# Allegro board buddy_lay_rev1.brd (continued)
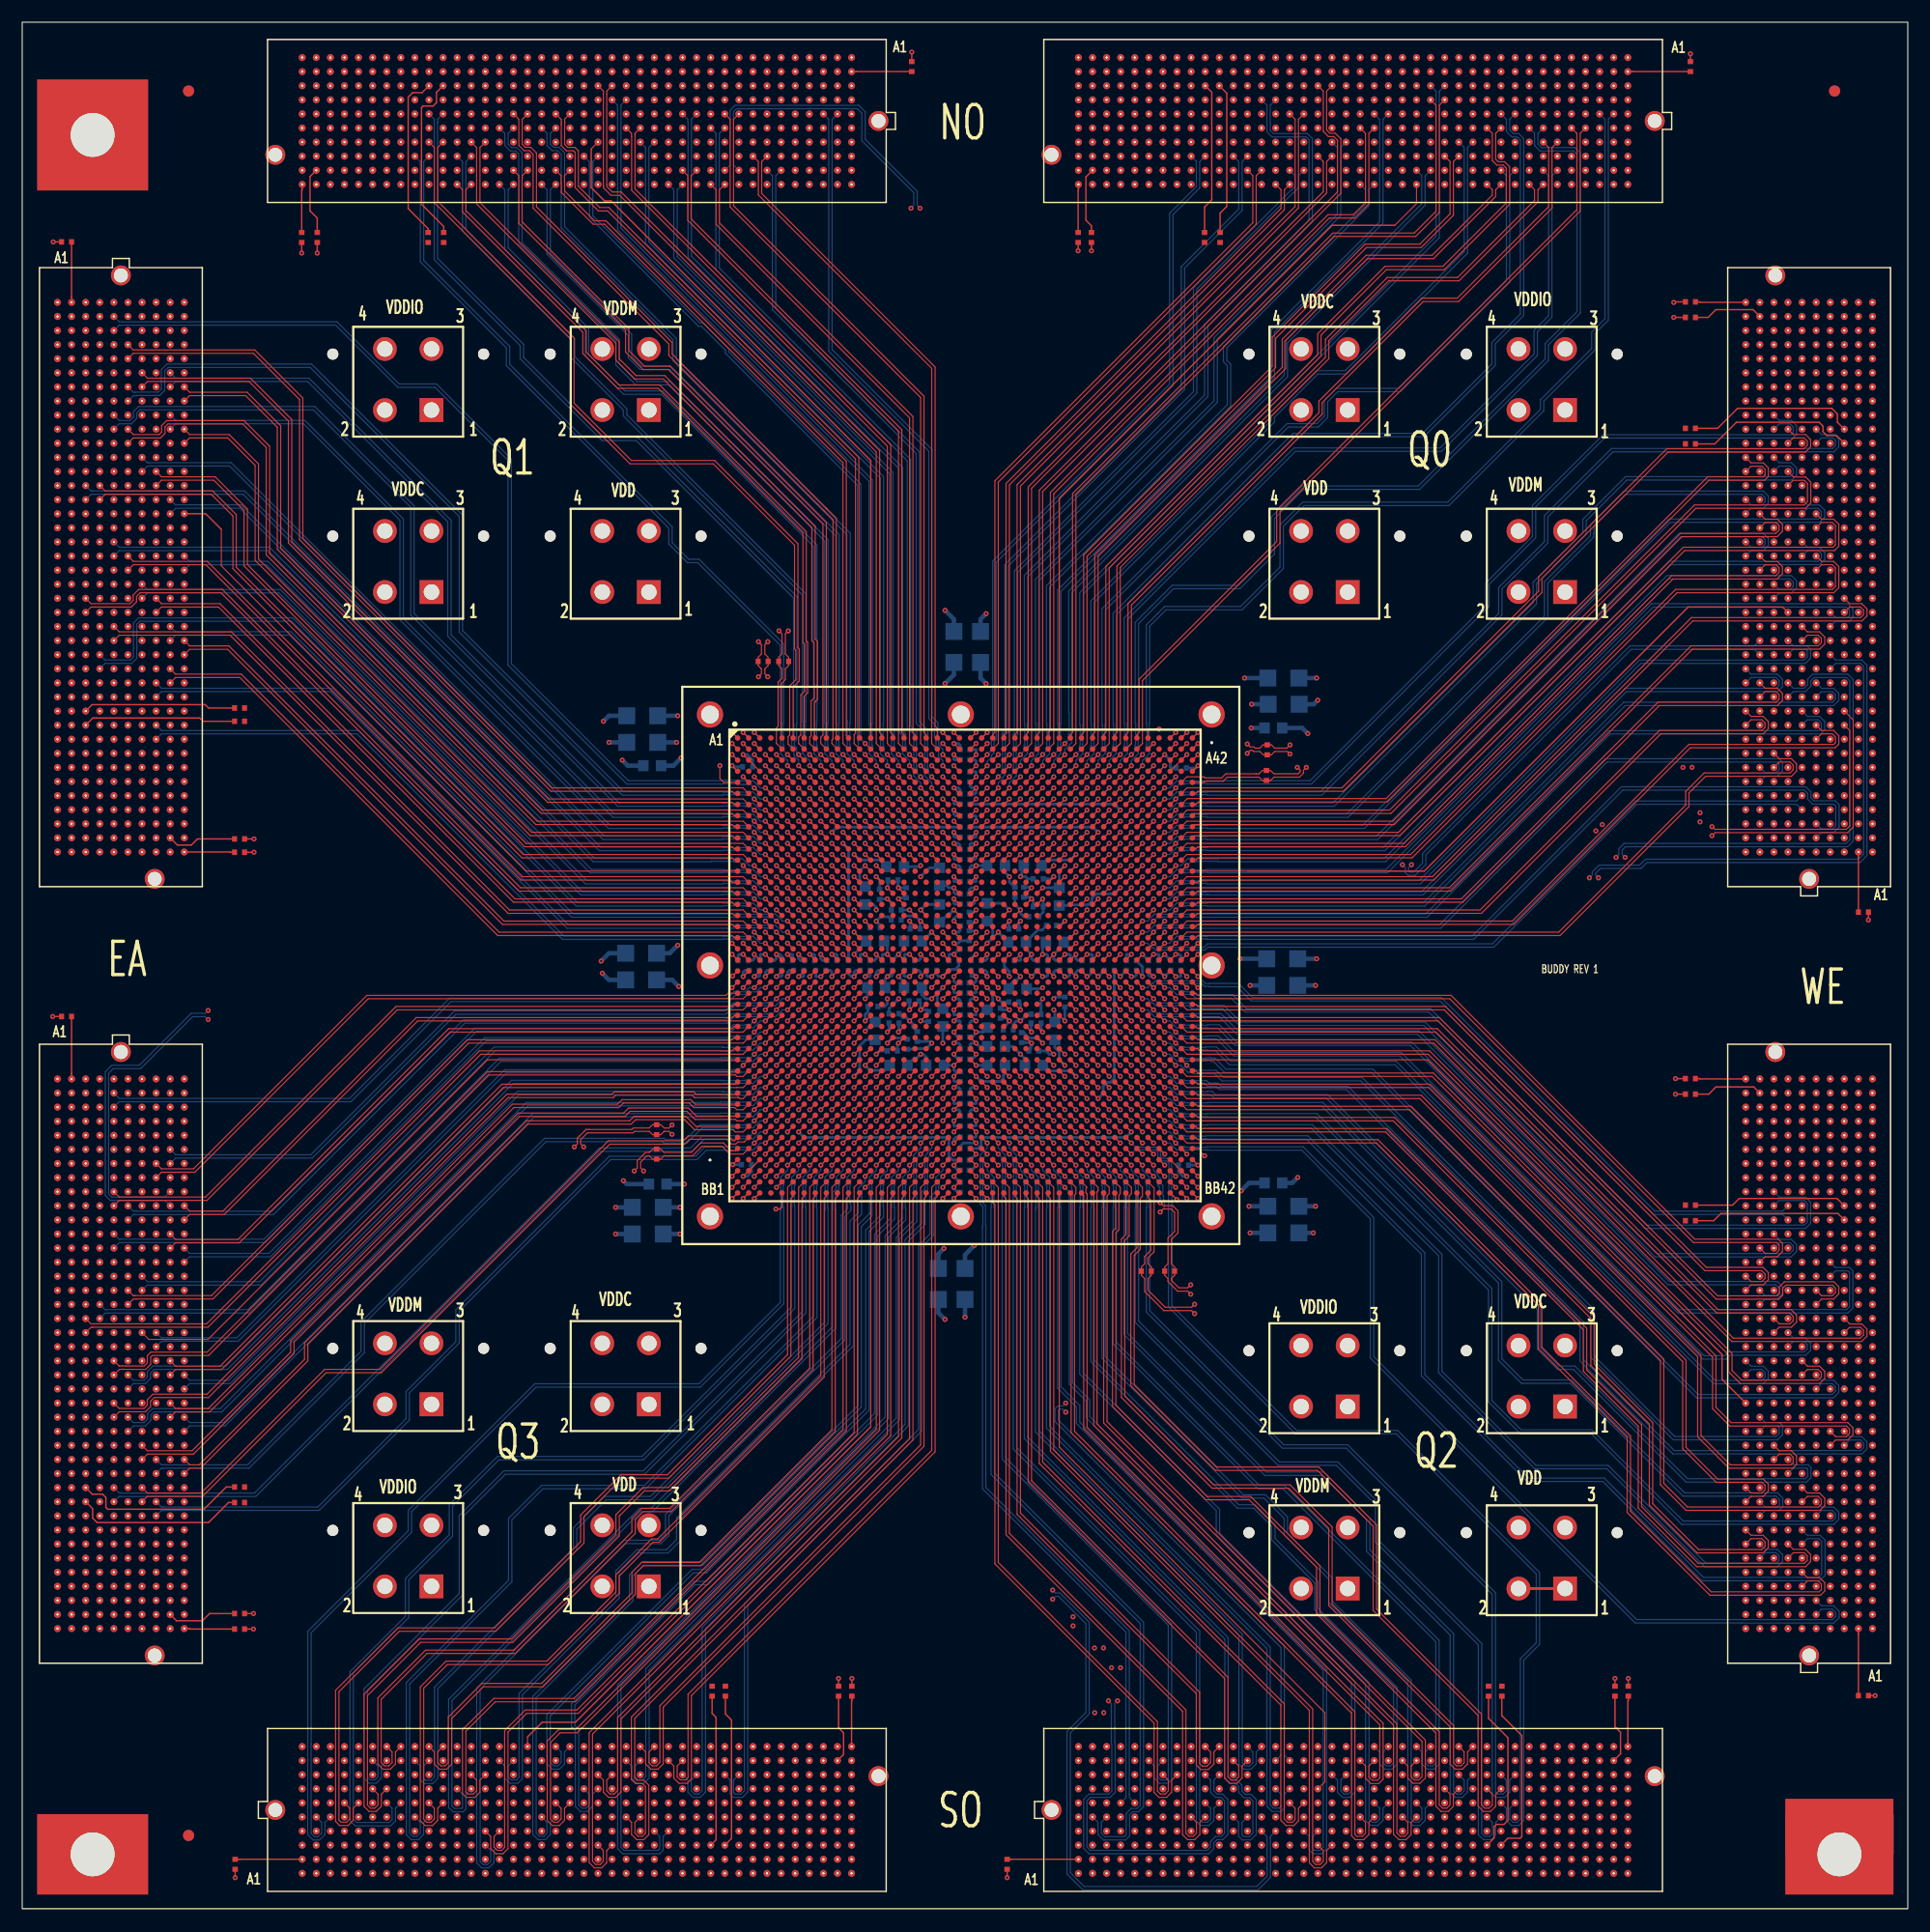
[diagram p0: board, top side]
## Nets (continued)
Q2_VDD: C111.1 C112.1 C113.1 C114.1 C115.1 C116.1 C117.1 C118.1 C119.1 C120.1 C121.1 J24.3 J24.4 U1.AE25(Q2_VDDIO16) U1.AF26(Q2_VDDIO9) U1.AG27(Q2_VDDIO7) U1.AH28(Q2_VDDIO5) U1.AJ29(Q2_VDDIO15) U1.AK30(Q2_VDDIO12) U1.AL31(Q2_VDDIO2) U1.AM32(Q2_VDDIO11) U1.AN33(Q2_VDDIO13) U1.AP34(Q2_VDDIO10) U1.AR35(Q2_VDDIO6) U1.AT36(Q2_VDDIO3) U1.AU37(Q2_VDDIO1) U1.AV38(Q2_VDDIO0) U1.AW39(Q2_VDDIO8) U1.AY40(Q2_VDDIO17) U1.BA41(Q2_VDDIO14) U1.BB42(Q2_VDDIO4)
Q2_VDDC: C23.1 C24.1 C25.1 C26.1 C27.1 C28.1 C29.1 C30.1 C31.1 C32.1 C33.1 J22.3 J22.4 U1.AB22(Q2_VDDC13) U1.AB26(Q2_VDDC10) U1.AB30(Q2_VDDC15) U1.AB34(Q2_VDDC14) U1.AB38(Q2_VDDC12) U1.AB42(Q2_VDDC11) U1.AD24(Q2_VDDC7) U1.AE39(Q2_VDDC19) U1.AF22(Q2_VDDC8) U1.AG37(Q2_VDDC5) U1.AJ35(Q2_VDDC18) U1.AK22(Q2_VDDC16) U1.AL33(Q2_VDDC2) U1.AN31(Q2_VDDC17) U1.AP22(Q2_VDDC9) U1.AR29(Q2_VDDC4) U1.AU27(Q2_VDDC1) U1.AV22(Q2_VDDC0) U1.AW25(Q2_VDDC6) U1.BB22(Q2_VDDC3)
Q2_VDDIO: C141.1 C142.1 C143.1 C144.1 J21.3 J21.4 U1.AF30(Q2_VDD1) U1.AW42(Q2_VDD0)
Q2_VDDM: C67.1 C68.1 C69.1 C70.1 C71.1 C72.1 C73.1 C74.1 C75.1 C76.1 C77.1 J23.3 J23.4 U1.AB24(Q2_VDDM10) U1.AB28(Q2_VDDM12) U1.AB32(Q2_VDDM14) U1.AB36(Q2_VDDM11) U1.AB40(Q2_VDDM13) U1.AC23(Q2_VDDM7) U1.AD22(Q2_VDDM5) U1.AD40(Q2_VDDM6) U1.AF38(Q2_VDDM8) U1.AH22(Q2_VDDM4) U1.AH36(Q2_VDDM3) U1.AK34(Q2_VDDM16) U1.AM22(Q2_VDDM15) U1.AP30(Q2_VDDM9) U1.AT22(Q2_VDDM1) U1.AT28(Q2_VDDM2) U1.AV26(Q2_VDDM0) U1.AY22(Q2_VDDM17) U1.AY24(Q2_VDDM18)
Q3_VDD: C145.1 C146.1 C147.1 C148.1 J20.3 J20.4 U1.AF13(Q3_VDD1) U1.AW1(Q3_VDD0)
Q3_VDDC: C34.1 C35.1 C36.1 C37.1 C38.1 C39.1 C40.1 C41.1 C42.1 C43.1 C44.1 J18.3 J18.4 U1.AB1(Q3_VDDC10) U1.AB5(Q3_VDDC11) U1.AB9(Q3_VDDC14) U1.AB13(Q3_VDDC12) U1.AB17(Q3_VDDC13) U1.AB21(Q3_VDDC15) U1.AD19(Q3_VDDC7) U1.AE4(Q3_VDDC19) U1.AF21(Q3_VDDC8) U1.AG6(Q3_VDDC5) U1.AJ8(Q3_VDDC18) U1.AK21(Q3_VDDC16) U1.AL10(Q3_VDDC2) U1.AN12(Q3_VDDC17) U1.AP21(Q3_VDDC9) U1.AR14(Q3_VDDC4) U1.AU16(Q3_VDDC1) U1.AV21(Q3_VDDC0) U1.AW18(Q3_VDDC6) U1.BB21(Q3_VDDC3)
Q3_VDDIO: C122.1 C123.1 C124.1 C125.1 C126.1 C127.1 C128.1 C129.1 C130.1 C131.1 C132.1 J19.3 J19.4 U1.AE18(Q3_VDDIO16) U1.AF17(Q3_VDDIO9) U1.AG16(Q3_VDDIO7) U1.AH15(Q3_VDDIO5) U1.AJ14(Q3_VDDIO15) U1.AK13(Q3_VDDIO12) U1.AL12(Q3_VDDIO2) U1.AM11(Q3_VDDIO11) U1.AN10(Q3_VDDIO13) U1.AP9(Q3_VDDIO10) U1.AR8(Q3_VDDIO6) U1.AT7(Q3_VDDIO3) U1.AU6(Q3_VDDIO1) U1.AV5(Q3_VDDIO0) U1.AW4(Q3_VDDIO8) U1.AY3(Q3_VDDIO17) U1.BA2(Q3_VDDIO14) U1.BB1(Q3_VDDIO4)
Q3_VDDM: C78.1 C79.1 C80.1 C81.1 C82.1 C83.1 C84.1 C85.1 C86.1 C87.1 C88.1 J17.3 J17.4 U1.AB3(Q3_VDDM14) U1.AB7(Q3_VDDM11) U1.AB11(Q3_VDDM13) U1.AB15(Q3_VDDM10) U1.AB19(Q3_VDDM12) U1.AC20(Q3_VDDM7) U1.AD3(Q3_VDDM6) U1.AD21(Q3_VDDM5) U1.AF5(Q3_VDDM8) U1.AH7(Q3_VDDM3) U1.AH21(Q3_VDDM4) U1.AK9(Q3_VDDM16) U1.AM21(Q3_VDDM15) U1.AP13(Q3_VDDM9) U1.AT15(Q3_VDDM2) U1.AT21(Q3_VDDM1) U1.AV17(Q3_VDDM0) U1.AY19(Q3_VDDM18) U1.AY21(Q3_VDDM17)
SCL_EA: R101.2
SCL_EA1: R107.2
SCL_EA2: R122.2
SCL_EA3: R127.2
SCL_EA4: R137.2
SCL_EA5: R132.2
SCL_EA6: R117.2
SCL_EA7: R112.2
SDA_EA: R90.2
SDA_EA1: R108.2
SDA_EA2: R123.2
SDA_EA3: R128.2
SDA_EA4: R138.2
SDA_EA5: R133.2
SDA_EA6: R118.2
SDA_EA7: R113.2
SO_3P3V: J5.C39(3P3V) J5.D36(3P3V#D36) J5.D38(3P3V#D38) J5.D40(3P3V#D40) J6.C39(3P3V) J6.D36(3P3V#D36) J6.D38(3P3V#D38) J6.D40(3P3V#D40) R119.2 R124.2
SO_12P0V: J5.C35(12P0V#C35) J5.C37(12P0V#C37) J6.C35(12P0V#C35) J6.C37(12P0V#C37)
SO_CTRL0: J6.J30(HB11_P) U1.BB5(SOCTRL0)
SO_CTRL1: J6.K31(HB10_P) U1.BA5(SOCTRL1)
SO_CTRL2: J6.E33(HB19_P) U1.AY5(SOCTRL2)
SO_CTRL3: J6.F34(HB16_P) U1.AW5(SOCTRL3)
SO_CTRL4: J6.G33(LA31_P)
SO_CTRL5: J6.H34(LA30_P)
SO_CTRL6: J6.J33(HB15_P)
SO_CTRL7: J6.K34(HB14_P)
SO_CTRL8: J6.E36(HB21_P)
SO_CTRL9: J6.F37(HB20_P)
SO_CTRL10: J6.G36(LA33_P)
SO_CTRL11: J6.H37(LA32_P)
SO_CTRL12: J6.J36(HB18_P)
SO_CTRL13: J6.K37(HB17_P_CC)
SO_HS_C2M_N0: J6.C3(DP0_C2M_N) R99.1 U1.BB38(SO_RX_N)
SO_HS_C2M_N1: J6.A23(DP1_C2M_N)
SO_HS_C2M_N2: J6.A27(DP2_C2M_N)
SO_HS_C2M_N3: J6.A31(DP3_C2M_N)
SO_HS_C2M_N4: J6.A35(DP4_C2M_N)
SO_HS_C2M_N5: J6.A39(DP5_C2M_N)
SO_HS_C2M_N6: J6.B37(DP6_C2M_N)
SO_HS_C2M_N7: J6.B33(DP7_C2M_N)
SO_HS_C2M_N8: J6.B29(DP8_C2M_N)
SO_HS_C2M_N9: J6.B25(DP9_C2M_N)
SO_HS_C2M_P0: J6.C2(DP0_C2M_P) R99.2 U1.BA38(SO_RX_P)
SO_HS_C2M_P1: J6.A22(DP1_C2M_P)
SO_HS_C2M_P2: J6.A26(DP2_C2M_P)
SO_HS_C2M_P3: J6.A30(DP3_C2M_P)
SO_HS_C2M_P4: J6.A34(DP4_C2M_P)
SO_HS_C2M_P5: J6.A38(DP5_C2M_P)
SO_HS_C2M_P6: J6.B36(DP6_C2M_P)
SO_HS_C2M_P7: J6.B32(DP7_C2M_P)
SO_HS_C2M_P8: J6.B28(DP8_C2M_P)
SO_HS_C2M_P9: J6.B24(DP9_C2M_P)
SO_HS_M2C_N0: J6.C7(DP0_M2C_N) R100.1 U1.AY38(SO_TX_N)
SO_HS_M2C_N1: J6.A3(DP1_M2C_N)
SO_HS_M2C_N2: J6.A7(DP2_M2C_N)
SO_HS_M2C_N3: J6.A11(DP3_M2C_N)
SO_HS_M2C_N4: J6.A15(DP4_M2C_N)
SO_HS_M2C_N5: J6.A19(DP5_M2C_N)
SO_HS_M2C_N6: J6.B17(DP6_M2C_N)
SO_HS_M2C_N7: J6.B13(DP7_M2C_N)
SO_HS_M2C_N8: J6.B9(DP8_M2C_N)
SO_HS_M2C_N9: J6.B5(DP9_M2C_N)
SO_HS_M2C_P0: J6.C6(DP0_M2C_P) R100.2 U1.AW38(SO_TX_P)
SO_HS_M2C_P1: J6.A2(DP1_M2C_P)
SO_HS_M2C_P2: J6.A6(DP2_M2C_P)
SO_HS_M2C_P3: J6.A10(DP3_M2C_P)
SO_HS_M2C_P4: J6.A14(DP4_M2C_P)
SO_HS_M2C_P5: J6.A18(DP5_M2C_P)
SO_HS_M2C_P6: J6.B16(DP6_M2C_P)
SO_HS_M2C_P7: J6.B12(DP7_M2C_P)
SO_HS_M2C_P8: J6.B8(DP8_M2C_P)
SO_HS_M2C_P9: J6.B4(DP9_M2C_P)
SO_N0: J5.H32(LA28_N) U1.AY37(SO_N0)
SO_N1: J5.G31(LA29_N) U1.BB37(SO_N1)
SO_N2: J5.F32(HB12_N) U1.AV36(SO_N2)
SO_N3: J5.E31(HB13_N) U1.AY36(SO_N3)
SO_N4: J5.K29(HB06_N_CC) U1.BB36(SO_N4)
SO_N5: J5.J28(HB07_N) U1.AV35(SO_N5)
SO_N6: J5.H29(LA24_N) U1.AY35(SO_N6)
SO_N7: J5.G28(LA25_N) U1.BB35(SO_N7)
SO_N8: J5.F29(HB08_N) U1.AT34(SO_N8)
SO_N9: J5.E28(HB09_N) U1.AV34(SO_N9)
SO_N10: J5.K26(HB00_N_CC) U1.AY34(SO_N10)
SO_N11: J5.J25(HB01_N) U1.BB34(SO_N11)
SO_N12: J5.H26(LA21_N) U1.AT33(SO_N12)
SO_N13: J5.G25(LA22_N) U1.AV33(SO_N13)
SO_N14: J5.F26(HB04_N) U1.AY33(SO_N14)
SO_N15: J5.E25(HB05_N) U1.BB33(SO_N15)
SO_N16: J5.D27(LA26_N) U1.AT32(SO_N16)
SO_N17: J5.C27(LA27_N) U1.AV32(SO_N17)
SO_N18: J5.K23(HA23_N) U1.AY32(SO_N18)
SO_N19: J5.J22(HA22_N) U1.BB32(SO_N19)
SO_N20: J5.H23(LA19_N) U1.AT31(SO_N20)
SO_N21: J5.G22(LA20_N) U1.AV31(SO_N21)
SO_N22: J5.F23(HB02_N) U1.AY31(SO_N22)
SO_N23: J5.E22(HB03_N) U1.BB31(SO_N23)
SO_N24: J5.D21(LA17_N_CC) U1.AM30(SO_N24)
SO_N25: J5.C23(LA18_N_CC) U1.AR30(SO_N25)
SO_N26: J5.K20(HA21_N) U1.AU30(SO_N26)
SO_N27: J5.J19(HA18_N) U1.AW30(SO_N27)
SO_N28: J5.H20(LA15_N) U1.BA30(SO_N28)
SO_N29: J5.G19(LA16_N) U1.AL29(SO_N29)
SO_N30: J5.F20(HA19_N) U1.AN29(SO_N30)
SO_N31: J5.E19(HA20_N) U1.AV29(SO_N31)
SO_N32: J5.D18(LA13_N) U1.AY29(SO_N32)
SO_N33: J5.C19(LA14_N) U1.BB29(SO_N33)
SO_N34: J5.K17(HA17_N_CC) U1.AM28(SO_N34)
SO_N35: J5.J16(HA14_N) U1.AP28(SO_N35)
SO_N36: J5.H17(LA11_N) U1.AV28(SO_N36)
SO_N37: J5.G16(LA12_N) U1.AY28(SO_N37)
SO_N38: J5.F17(HA15_N) U1.BB28(SO_N38)
SO_N39: J5.E16(HA16_N) U1.AM27(SO_N39)
SO_N40: J5.D15(LA09_N) U1.AP27(SO_N40)
SO_N41: J5.C15(LA10_N) U1.AT27(SO_N41)
SO_N42: J5.K14(HA10_N) U1.AY27(SO_N42)
SO_N43: J5.J13(HA11_N) U1.BB27(SO_N43)
SO_N44: J5.H14(LA07_N) U1.AM26(SO_N44)
SO_N45: J5.G13(LA08_N) U1.AP26(SO_N45)
SO_N46: J5.F14(HA12_N) U1.AT26(SO_N46)
SO_N47: J5.E13(HA13_N) U1.AY26(SO_N47)
SO_N48: J5.K11(HA06_N) U1.BB26(SO_N48)
SO_N49: J5.J10(HA07_N) U1.AM25(SO_N49)
SO_N50: J5.H11(LA04_N) U1.AP25(SO_N50)
SO_N51: J5.G10(LA03_N) U1.AT25(SO_N51)
SO_N52: J5.F11(HA08_N) U1.AV25(SO_N52)
SO_N53: J5.E10(HA09_N) U1.BB25(SO_N53)
SO_N54: J5.D9(LA01_N_CC) U1.AM24(SO_N54)
SO_N55: J5.C11(LA06_N) U1.AP24(SO_N55)
SO_N56: J5.K8(HA02_N) U1.AT24(SO_N56)
SO_N57: J5.J7(HA03_N) U1.AV24(SO_N57)
SO_N58: J5.H8(LA02_N) U1.BB24(SO_N58)
SO_N59: J5.G7(LA00_N_CC) U1.AM23(SO_N59)
SO_N60: J5.F8(HA04_N) U1.AP23(SO_N60)
SO_N61: J5.E7(HA05_N) U1.AT23(SO_N61)
SO_N62: J5.F5(HA00_N_CC) U1.AV23(SO_N62)
SO_N63: J5.E3(HA01_N_CC) U1.AY23(SO_N63)
SO_N64: J6.H32(LA28_N) U1.AW20(SO_N64)
SO_N65: J6.G31(LA29_N) U1.AU20(SO_N65)
SO_N66: J6.F32(HB12_N) U1.AR20(SO_N66)
SO_N67: J6.E31(HB13_N) U1.AN20(SO_N67)
SO_N68: J6.K29(HB06_N_CC) U1.AL20(SO_N68)
SO_N69: J6.J28(HB07_N) U1.BA19(SO_N69)
SO_N70: J6.H29(LA24_N) U1.AU19(SO_N70)
SO_N71: J6.G28(LA25_N) U1.AR19(SO_N71)
SO_N72: J6.F29(HB08_N) U1.AN19(SO_N72)
SO_N73: J6.E28(HB09_N) U1.AL19(SO_N73)
SO_N74: J6.K26(HB00_N_CC) U1.BA18(SO_N74)
SO_N75: J6.J25(HB01_N) U1.AU18(SO_N75)
SO_N76: J6.H26(LA21_N) U1.AR18(SO_N76)
SO_N77: J6.G25(LA22_N) U1.AN18(SO_N77)
SO_N78: J6.F26(HB04_N) U1.AL18(SO_N78)
SO_N79: J6.E25(HB05_N) U1.BA17(SO_N79)
SO_N80: J6.D27(LA26_N) U1.AW17(SO_N80)
SO_N81: J6.C27(LA27_N) U1.AR17(SO_N81)
SO_N82: J6.K23(HA23_N) U1.AN17(SO_N82)
SO_N83: J6.J22(HA22_N) U1.AL17(SO_N83)
SO_N84: J6.H23(LA19_N) U1.BA16(SO_N84)
SO_N85: J6.G22(LA20_N) U1.AW16(SO_N85)
SO_N86: J6.F23(HB02_N) U1.AR16(SO_N86)
SO_N87: J6.E22(HB03_N) U1.AN16(SO_N87)
SO_N88: J6.D21(LA17_N_CC) U1.AL16(SO_N88)
SO_N89: J6.C23(LA18_N_CC) U1.BA15(SO_N89)
SO_N90: J6.K20(HA21_N) U1.AW15(SO_N90)
SO_N91: J6.J19(HA18_N) U1.AU15(SO_N91)
SO_N92: J6.H20(LA15_N) U1.AN15(SO_N92)
SO_N93: J6.G19(LA16_N) U1.AL15(SO_N93)
SO_N94: J6.F20(HA19_N) U1.BA14(SO_N94)
SO_N95: J6.E19(HA20_N) U1.AW14(SO_N95)
SO_N96: J6.D18(LA13_N) U1.AU14(SO_N96)
SO_N97: J6.C19(LA14_N) U1.AM14(SO_N97)
SO_N98: J6.K17(HA17_N_CC) U1.BB13(SO_N98)
SO_N99: J6.J16(HA14_N) U1.AY13(SO_N99)
SO_N100: J6.H17(LA11_N) U1.AV13(SO_N100)
SO_N101: J6.G16(LA12_N) U1.AT13(SO_N101)
SO_N102: J6.F17(HA15_N) U1.AN13(SO_N102)
SO_N103: J6.E16(HA16_N) U1.AL13(SO_N103)
SO_N104: J6.D15(LA09_N) U1.BA12(SO_N104)
SO_N105: J6.C15(LA10_N) U1.AW12(SO_N105)
SO_N106: J6.K14(HA10_N) U1.AU12(SO_N106)
SO_N107: J6.J13(HA11_N) U1.AR12(SO_N107)
SO_N108: J6.H14(LA07_N) U1.BA11(SO_N108)
SO_N109: J6.G13(LA08_N) U1.AW11(SO_N109)
SO_N110: J6.F14(HA12_N) U1.AU11(SO_N110)
SO_N111: J6.E13(HA13_N) U1.AR11(SO_N111)
SO_N112: J6.K11(HA06_N) U1.BA10(SO_N112)
SO_N113: J6.J10(HA07_N) U1.AW10(SO_N113)
SO_N114: J6.H11(LA04_N) U1.AU10(SO_N114)
SO_N115: J6.G10(LA03_N) U1.AR10(SO_N115)
SO_N116: J6.F11(HA08_N) U1.BA9(SO_N116)
SO_N117: J6.E10(HA09_N) U1.AW9(SO_N117)
SO_N118: J6.D9(LA01_N_CC) U1.AU9(SO_N118)
SO_N119: J6.C11(LA06_N) U1.AR9(SO_N119)
SO_N120: J6.K8(HA02_N) U1.BA8(SO_N120)
SO_N121: J6.J7(HA03_N) U1.AW8(SO_N121)
SO_N122: J6.H8(LA02_N) U1.AU8(SO_N122)
SO_N123: J6.G7(LA00_N_CC) U1.BA7(SO_N123)
SO_N124: J6.F8(HA04_N) U1.AW7(SO_N124)
SO_N125: J6.E7(HA05_N) U1.AU7(SO_N125)
SO_N126: J6.F5(HA00_N_CC) U1.BA6(SO_N126)
SO_N127: J6.E3(HA01_N_CC) U1.AW6(SO_N127)
SO_P0: J5.H31(LA28_P) U1.AW37(SO_P0)
SO_P1: J5.G30(LA29_P) U1.BA37(SO_P1)
SO_P2: J5.F31(HB12_P) U1.AU36(SO_P2)
SO_P3: J5.E30(HB13_P) U1.AW36(SO_P3)
SO_P4: J5.K28(HB06_P_CC) U1.BA36(SO_P4)
SO_P5: J5.J27(HB07_P) U1.AU35(SO_P5)
SO_P6: J5.H28(LA24_P) U1.AW35(SO_P6)
SO_P7: J5.G27(LA25_P) U1.BA35(SO_P7)
SO_P8: J5.F28(HB08_P) U1.AR34(SO_P8)
SO_P9: J5.E27(HB09_P) U1.AU34(SO_P9)
SO_P10: J5.K25(HB00_P_CC) U1.AW34(SO_P10)
SO_P11: J5.J24(HB01_P) U1.BA34(SO_P11)
SO_P12: J5.H25(LA21_P) U1.AR33(SO_P12)
SO_P13: J5.G24(LA22_P) U1.AU33(SO_P13)
SO_P14: J5.F25(HB04_P) U1.AW33(SO_P14)
SO_P15: J5.E24(HB05_P) U1.BA33(SO_P15)
SO_P16: J5.D26(LA26_P) U1.AR32(SO_P16)
SO_P17: J5.C26(LA27_P) U1.AU32(SO_P17)
SO_P18: J5.K22(HA23_P) U1.AW32(SO_P18)
SO_P19: J5.J21(HA22_P) U1.BA32(SO_P19)
SO_P20: J5.H22(LA19_P) U1.AR31(SO_P20)
SO_P21: J5.G21(LA20_P) U1.AU31(SO_P21)
SO_P22: J5.F22(HB02_P) U1.AW31(SO_P22)
SO_P23: J5.E21(HB03_P) U1.BA31(SO_P23)
SO_P24: J5.D20(LA17_P_CC) U1.AL30(SO_P24)
SO_P25: J5.C22(LA18_P_CC) U1.AN30(SO_P25)
SO_P26: J5.K19(HA21_P) U1.AT30(SO_P26)
SO_P27: J5.J18(HA18_P) U1.AV30(SO_P27)
SO_P28: J5.H19(LA15_P) U1.AY30(SO_P28)
SO_P29: J5.G18(LA16_P) U1.BB30(SO_P29)
SO_P30: J5.F19(HA19_P) U1.AM29(SO_P30)
SO_P31: J5.E18(HA20_P) U1.AU29(SO_P31)
SO_P32: J5.D17(LA13_P) U1.AW29(SO_P32)
SO_P33: J5.C18(LA14_P) U1.BA29(SO_P33)
SO_P34: J5.K16(HA17_P_CC) U1.AL28(SO_P34)
SO_P35: J5.J15(HA14_P) U1.AN28(SO_P35)
SO_P36: J5.H16(LA11_P) U1.AU28(SO_P36)
SO_P37: J5.G15(LA12_P) U1.AW28(SO_P37)
SO_P38: J5.F16(HA15_P) U1.BA28(SO_P38)
SO_P39: J5.E15(HA16_P) U1.AL27(SO_P39)
SO_P40: J5.D14(LA09_P) U1.AN27(SO_P40)
SO_P41: J5.C14(LA10_P) U1.AR27(SO_P41)
SO_P42: J5.K13(HA10_P) U1.AW27(SO_P42)
SO_P43: J5.J12(HA11_P) U1.BA27(SO_P43)
SO_P44: J5.H13(LA07_P) U1.AL26(SO_P44)
SO_P45: J5.G12(LA08_P) U1.AN26(SO_P45)
SO_P46: J5.F13(HA12_P) U1.AR26(SO_P46)
SO_P47: J5.E12(HA13_P) U1.AW26(SO_P47)
SO_P48: J5.K10(HA06_P) U1.BA26(SO_P48)
SO_P49: J5.J9(HA07_P) U1.AL25(SO_P49)
SO_P50: J5.H10(LA04_P) U1.AN25(SO_P50)
SO_P51: J5.G9(LA03_P) U1.AR25(SO_P51)
SO_P52: J5.F10(HA08_P) U1.AU25(SO_P52)
SO_P53: J5.E9(HA09_P) U1.BA25(SO_P53)
SO_P54: J5.D8(LA01_P_CC) U1.AL24(SO_P54)
SO_P55: J5.C10(LA06_P) U1.AN24(SO_P55)
SO_P56: J5.K7(HA02_P) U1.AR24(SO_P56)
SO_P57: J5.J6(HA03_P) U1.AU24(SO_P57)
SO_P58: J5.H7(LA02_P) U1.BA24(SO_P58)
SO_P59: J5.G6(LA00_P_CC) U1.AL23(SO_P59)
SO_P60: J5.F7(HA04_P) U1.AN23(SO_P60)
SO_P61: J5.E6(HA05_P) U1.AR23(SO_P61)
SO_P62: J5.F4(HA00_P_CC) U1.AU23(SO_P62)
SO_P63: J5.E2(HA01_P_CC) U1.AW23(SO_P63)
SO_P64: J6.H31(LA28_P) U1.AY20(SO_P64)
SO_P65: J6.G30(LA29_P) U1.AV20(SO_P65)
SO_P66: J6.F31(HB12_P) U1.AT20(SO_P66)
SO_P67: J6.E30(HB13_P) U1.AP20(SO_P67)
SO_P68: J6.K28(HB06_P_CC) U1.AM20(SO_P68)
SO_P69: J6.J27(HB07_P) U1.BB19(SO_P69)
SO_P70: J6.H28(LA24_P) U1.AV19(SO_P70)
SO_P71: J6.G27(LA25_P) U1.AT19(SO_P71)
SO_P72: J6.F28(HB08_P) U1.AP19(SO_P72)
SO_P73: J6.E27(HB09_P) U1.AM19(SO_P73)
SO_P74: J6.K25(HB00_P_CC) U1.BB18(SO_P74)
SO_P75: J6.J24(HB01_P) U1.AV18(SO_P75)
SO_P76: J6.H25(LA21_P) U1.AT18(SO_P76)
SO_P77: J6.G24(LA22_P) U1.AP18(SO_P77)
SO_P78: J6.F25(HB04_P) U1.AM18(SO_P78)
SO_P79: J6.E24(HB05_P) U1.BB17(SO_P79)
SO_P80: J6.D26(LA26_P) U1.AY17(SO_P80)
SO_P81: J6.C26(LA27_P) U1.AT17(SO_P81)
SO_P82: J6.K22(HA23_P) U1.AP17(SO_P82)
SO_P83: J6.J21(HA22_P) U1.AM17(SO_P83)
SO_P84: J6.H22(LA19_P) U1.BB16(SO_P84)
SO_P85: J6.G21(LA20_P) U1.AY16(SO_P85)
SO_P86: J6.F22(HB02_P) U1.AT16(SO_P86)
SO_P87: J6.E21(HB03_P) U1.AP16(SO_P87)
SO_P88: J6.D20(LA17_P_CC) U1.AM16(SO_P88)
SO_P89: J6.C22(LA18_P_CC) U1.BB15(SO_P89)
SO_P90: J6.K19(HA21_P) U1.AY15(SO_P90)
SO_P91: J6.J18(HA18_P) U1.AV15(SO_P91)
SO_P92: J6.H19(LA15_P) U1.AP15(SO_P92)
SO_P93: J6.G18(LA16_P) U1.AM15(SO_P93)
SO_P94: J6.F19(HA19_P) U1.BB14(SO_P94)
SO_P95: J6.E18(HA20_P) U1.AY14(SO_P95)
SO_P96: J6.D17(LA13_P) U1.AV14(SO_P96)
SO_P97: J6.C18(LA14_P) U1.AN14(SO_P97)
SO_P98: J6.K16(HA17_P_CC) U1.AL14(SO_P98)
SO_P99: J6.J15(HA14_P) U1.BA13(SO_P99)
SO_P100: J6.H16(LA11_P) U1.AW13(SO_P100)
SO_P101: J6.G15(LA12_P) U1.AU13(SO_P101)
SO_P102: J6.F16(HA15_P) U1.AR13(SO_P102)
SO_P103: J6.E15(HA16_P) U1.AM13(SO_P103)
SO_P104: J6.D14(LA09_P) U1.BB12(SO_P104)
SO_P105: J6.C14(LA10_P) U1.AY12(SO_P105)
SO_P106: J6.K13(HA10_P) U1.AV12(SO_P106)
SO_P107: J6.J12(HA11_P) U1.AT12(SO_P107)
SO_P108: J6.H13(LA07_P) U1.BB11(SO_P108)
SO_P109: J6.G12(LA08_P) U1.AY11(SO_P109)
SO_P110: J6.F13(HA12_P) U1.AV11(SO_P110)
SO_P111: J6.E12(HA13_P) U1.AT11(SO_P111)
SO_P112: J6.K10(HA06_P) U1.BB10(SO_P112)
SO_P113: J6.J9(HA07_P) U1.AY10(SO_P113)
SO_P114: J6.H10(LA04_P) U1.AV10(SO_P114)
SO_P115: J6.G9(LA03_P) U1.AT10(SO_P115)
SO_P116: J6.F10(HA08_P) U1.BB9(SO_P116)
SO_P117: J6.E9(HA09_P) U1.AY9(SO_P117)
SO_P118: J6.D8(LA01_P_CC) U1.AV9(SO_P118)
SO_P119: J6.C10(LA06_P) U1.AT9(SO_P119)
SO_P120: J6.K7(HA02_P) U1.BB8(SO_P120)
SO_P121: J6.J6(HA03_P) U1.AY8(SO_P121)
SO_P122: J6.H7(LA02_P) U1.AV8(SO_P122)
SO_P123: J6.G6(LA00_P_CC) U1.BB7(SO_P123)
SO_P124: J6.F7(HA04_P) U1.AY7(SO_P124)
SO_P125: J6.E6(HA05_P) U1.AV7(SO_P125)
SO_P126: J6.F4(HA00_P_CC) U1.BB6(SO_P126)
SO_P127: J6.E2(HA01_P_CC) U1.AY6(SO_P127)
SO_VADJ0: J6.E39(VADJ) J6.F40(VADJ) J6.G39(VADJ) J6.H40(VADJ) R120.2 R121.2
SO_VADJ1: J5.E39(VADJ) J5.F40(VADJ) J5.G39(VADJ) J5.H40(VADJ) R125.2 R126.2
WE_3P3V: J3.C39(3P3V) J3.D36(3P3V#D36) J3.D38(3P3V#D38) J3.D40(3P3V#D40) J4.C39(3P3V) J4.D36(3P3V#D36) J4.D38(3P3V#D38) J4.D40(3P3V#D40) R129.2 R134.2
WE_12P0V: J3.C35(12P0V#C35) J3.C37(12P0V#C37) J4.C35(12P0V#C35) J4.C37(12P0V#C37)
WE_CTRL0: J3.J30(HB11_P) U1.AV42(WECTRL0)
WE_CTRL1: J3.K31(HB10_P) U1.AV41(WECTRL1)
WE_CTRL2: J3.E33(HB19_P) U1.AV40(WECTRL2)
WE_CTRL3: J3.F34(HB16_P) U1.AV39(WECTRL3)
WE_CTRL4: J3.G33(LA31_P)
WE_CTRL5: J3.H34(LA30_P)
WE_CTRL6: J3.J33(HB15_P)
WE_CTRL7: J3.K34(HB14_P)
WE_CTRL8: J3.E36(HB21_P)
WE_CTRL9: J3.F37(HB20_P)
WE_CTRL10: J3.G36(LA33_P)
WE_CTRL11: J3.H37(LA32_P)
WE_CTRL12: J3.J36(HB18_P)
WE_CTRL13: J3.K37(HB17_P_CC)
WE_HS_C2M_N0: J3.C2(DP0_C2M_P) R97.1 U1.E42(WE_RX_N)
WE_HS_C2M_N1: J3.A22(DP1_C2M_P)
WE_HS_C2M_N2: J3.A26(DP2_C2M_P)
WE_HS_C2M_N3: J3.A30(DP3_C2M_P)
WE_HS_C2M_N4: J3.A34(DP4_C2M_P)
WE_HS_C2M_N5: J3.A38(DP5_C2M_P)
WE_HS_C2M_N6: J3.B36(DP6_C2M_P)
WE_HS_C2M_N7: J3.B32(DP7_C2M_P)
WE_HS_C2M_N8: J3.B28(DP8_C2M_P)
WE_HS_C2M_N9: J3.B24(DP9_C2M_P)
WE_HS_C2M_P0: J3.C3(DP0_C2M_N) R97.2 U1.E41(WE_RX_P)
WE_HS_C2M_P1: J3.A23(DP1_C2M_N)
WE_HS_C2M_P2: J3.A27(DP2_C2M_N)
WE_HS_C2M_P3: J3.A31(DP3_C2M_N)
WE_HS_C2M_P4: J3.A35(DP4_C2M_N)
WE_HS_C2M_P5: J3.A39(DP5_C2M_N)
WE_HS_C2M_P6: J3.B37(DP6_C2M_N)
WE_HS_C2M_P7: J3.B33(DP7_C2M_N)
WE_HS_C2M_P8: J3.B29(DP8_C2M_N)
WE_HS_C2M_P9: J3.B25(DP9_C2M_N)
WE_HS_M2C_N0: J3.C7(DP0_M2C_N) R98.1 U1.E40(WE_TX_N)
WE_HS_M2C_N1: J3.A3(DP1_M2C_N)
WE_HS_M2C_N2: J3.A7(DP2_M2C_N)
WE_HS_M2C_N3: J3.A11(DP3_M2C_N)
WE_HS_M2C_N4: J3.A15(DP4_M2C_N)
WE_HS_M2C_N5: J3.A19(DP5_M2C_N)
WE_HS_M2C_N6: J3.B17(DP6_M2C_N)
WE_HS_M2C_N7: J3.B13(DP7_M2C_N)
WE_HS_M2C_N8: J3.B9(DP8_M2C_N)
WE_HS_M2C_N9: J3.B5(DP9_M2C_N)
WE_HS_M2C_P0: J3.C6(DP0_M2C_P) R98.2 U1.E39(WE_TX_P)
WE_HS_M2C_P1: J3.A2(DP1_M2C_P)
WE_HS_M2C_P2: J3.A6(DP2_M2C_P)
WE_HS_M2C_P3: J3.A10(DP3_M2C_P)
WE_HS_M2C_P4: J3.A14(DP4_M2C_P)
WE_HS_M2C_P5: J3.A18(DP5_M2C_P)
WE_HS_M2C_P6: J3.B16(DP6_M2C_P)
WE_HS_M2C_P7: J3.B12(DP7_M2C_P)
WE_HS_M2C_P8: J3.B8(DP8_M2C_P)
WE_HS_M2C_P9: J3.B4(DP9_M2C_P)
WE_N0: J3.H32(LA28_N) U1.F40(WE_N0)
WE_N1: J3.G31(LA29_N) U1.F42(WE_N1)
WE_N2: J3.F32(HB12_N) U1.G38(WE_N2)
WE_N3: J3.E31(HB13_N) U1.G40(WE_N3)
WE_N4: J3.K29(HB06_N_CC) U1.G42(WE_N4)
WE_N5: J3.J28(HB07_N) U1.H38(WE_N5)
WE_N6: J3.H29(LA24_N) U1.H40(WE_N6)
WE_N7: J3.G28(LA25_N) U1.H42(WE_N7)
WE_N8: J3.F29(HB08_N) U1.J36(WE_N8)
WE_N9: J3.E28(HB09_N) U1.J38(WE_N9)
WE_N10: J3.K26(HB00_N_CC) U1.J40(WE_N10)
WE_N11: J3.J25(HB01_N) U1.J42(WE_N11)
WE_N12: J3.H26(LA21_N) U1.K36(WE_N12)
WE_N13: J3.G25(LA22_N) U1.K38(WE_N13)
WE_N14: J3.F26(HB04_N) U1.K40(WE_N14)
WE_N15: J3.E25(HB05_N) U1.K42(WE_N15)
WE_N16: J3.D27(LA26_N) U1.L36(WE_N16)
WE_N17: J3.C27(LA27_N) U1.L38(WE_N17)
WE_N18: J3.K23(HA23_N) U1.L40(WE_N18)
WE_N19: J3.J22(HA22_N) U1.L42(WE_N19)
WE_N20: J3.H23(LA19_N) U1.M36(WE_N20)
WE_N21: J3.G22(LA20_N) U1.M38(WE_N21)
WE_N22: J3.F23(HB02_N) U1.M40(WE_N22)
WE_N23: J3.E22(HB03_N) U1.M42(WE_N23)
WE_N24: J3.D21(LA17_N_CC) U1.N32(WE_N24)
WE_N25: J3.C23(LA18_N_CC) U1.N35(WE_N25)
WE_N26: J3.K20(HA21_N) U1.N37(WE_N26)
WE_N27: J3.J19(HA18_N) U1.N39(WE_N27)
WE_N28: J3.H20(LA15_N) U1.N41(WE_N28)
WE_N29: J3.G19(LA16_N) U1.P31(WE_N29)
WE_N30: J3.F20(HA19_N) U1.P33(WE_N30)
WE_N31: J3.E19(HA20_N) U1.P38(WE_N31)
WE_N32: J3.D18(LA13_N) U1.P40(WE_N32)
WE_N33: J3.C19(LA14_N) U1.P42(WE_N33)
WE_N34: J3.K17(HA17_N_CC) U1.R32(WE_N34)
WE_N35: J3.J16(HA14_N) U1.R34(WE_N35)
WE_N36: J3.H17(LA11_N) U1.R38(WE_N36)
WE_N37: J3.G16(LA12_N) U1.R40(WE_N37)
WE_N38: J3.F17(HA15_N) U1.R42(WE_N38)
WE_N39: J3.E16(HA16_N) U1.T32(WE_N39)
WE_N40: J3.D15(LA09_N) U1.T34(WE_N40)
WE_N41: J3.C15(LA10_N) U1.T36(WE_N41)
WE_N42: J3.K14(HA10_N) U1.T40(WE_N42)
WE_N43: J3.J13(HA11_N) U1.T42(WE_N43)
WE_N44: J3.H14(LA07_N) U1.U32(WE_N44)
WE_N45: J3.G13(LA08_N) U1.U34(WE_N45)
WE_N46: J3.F14(HA12_N) U1.U36(WE_N46)
WE_N47: J3.E13(HA13_N) U1.U40(WE_N47)
WE_N48: J3.K11(HA06_N) U1.U42(WE_N48)
WE_N49: J3.J10(HA07_N) U1.V32(WE_N49)
WE_N50: J3.H11(LA04_N) U1.V34(WE_N50)
WE_N51: J3.G10(LA03_N) U1.V36(WE_N51)
WE_N52: J3.F11(HA08_N) U1.V38(WE_N52)
WE_N53: J3.E10(HA09_N) U1.V42(WE_N53)
WE_N54: J3.D9(LA01_N_CC) U1.W32(WE_N54)
WE_N55: J3.C11(LA06_N) U1.W34(WE_N55)
WE_N56: J3.K8(HA02_N) U1.W36(WE_N56)
WE_N57: J3.J7(HA03_N) U1.W38(WE_N57)
WE_N58: J3.H8(LA02_N) U1.W42(WE_N58)
WE_N59: J3.G7(LA00_N_CC) U1.Y32(WE_N59)
WE_N60: J3.F8(HA04_N) U1.Y34(WE_N60)
WE_N61: J3.E7(HA05_N) U1.Y36(WE_N61)
WE_N62: J3.F5(HA00_N_CC) U1.Y38(WE_N62)
WE_N63: J3.E3(HA01_N_CC) U1.Y40(WE_N63)
WE_N64: J4.H32(LA28_N) U1.AC39(WE_N64)
WE_N65: J4.G31(LA29_N) U1.AC37(WE_N65)
WE_N66: J4.F32(HB12_N) U1.AC35(WE_N66)
WE_N67: J4.E31(HB13_N) U1.AC33(WE_N67)
WE_N68: J4.K29(HB06_N_CC) U1.AC31(WE_N68)
WE_N69: J4.J28(HB07_N) U1.AD41(WE_N69)
WE_N70: J4.H29(LA24_N) U1.AD37(WE_N70)
WE_N71: J4.G28(LA25_N) U1.AD35(WE_N71)
WE_N72: J4.F29(HB08_N) U1.AD33(WE_N72)
WE_N73: J4.E28(HB09_N) U1.AD31(WE_N73)
WE_N74: J4.K26(HB00_N_CC) U1.AE41(WE_N74)
WE_N75: J4.J25(HB01_N) U1.AE37(WE_N75)
WE_N76: J4.H26(LA21_N) U1.AE35(WE_N76)
WE_N77: J4.G25(LA22_N) U1.AE33(WE_N77)
WE_N78: J4.F26(HB04_N) U1.AE31(WE_N78)
WE_N79: J4.E25(HB05_N) U1.AF41(WE_N79)
WE_N80: J4.D27(LA26_N) U1.AF39(WE_N80)
WE_N81: J4.C27(LA27_N) U1.AF35(WE_N81)
WE_N82: J4.K23(HA23_N) U1.AF33(WE_N82)
WE_N83: J4.J22(HA22_N) U1.AF31(WE_N83)
WE_N84: J4.H23(LA19_N) U1.AG41(WE_N84)
WE_N85: J4.G22(LA20_N) U1.AG39(WE_N85)
WE_N86: J4.F23(HB02_N) U1.AG35(WE_N86)
WE_N87: J4.E22(HB03_N) U1.AG33(WE_N87)
WE_N88: J4.D21(LA17_N_CC) U1.AG31(WE_N88)
WE_N89: J4.C23(LA18_N_CC) U1.AH41(WE_N89)
WE_N90: J4.K20(HA21_N) U1.AH39(WE_N90)
WE_N91: J4.J19(HA18_N) U1.AH37(WE_N91)
WE_N92: J4.H20(LA15_N) U1.AH33(WE_N92)
WE_N93: J4.G19(LA16_N) U1.AH31(WE_N93)
WE_N94: J4.F20(HA19_N) U1.AJ41(WE_N94)
WE_N95: J4.E19(HA20_N) U1.AJ39(WE_N95)
WE_N96: J4.D18(LA13_N) U1.AJ37(WE_N96)
WE_N97: J4.C19(LA14_N) U1.AJ32(WE_N97)
WE_N98: J4.K17(HA17_N_CC) U1.AK42(WE_N98)
WE_N99: J4.J16(HA14_N) U1.AK40(WE_N99)
WE_N100: J4.H17(LA11_N) U1.AK38(WE_N100)
WE_N101: J4.G16(LA12_N) U1.AK36(WE_N101)
WE_N102: J4.F17(HA15_N) U1.AK33(WE_N102)
WE_N103: J4.E16(HA16_N) U1.AK31(WE_N103)
WE_N104: J4.D15(LA09_N) U1.AL41(WE_N104)
WE_N105: J4.C15(LA10_N) U1.AL39(WE_N105)
WE_N106: J4.K14(HA10_N) U1.AL37(WE_N106)
WE_N107: J4.J13(HA11_N) U1.AL35(WE_N107)
WE_N108: J4.H14(LA07_N) U1.AM41(WE_N108)
WE_N109: J4.G13(LA08_N) U1.AM39(WE_N109)
WE_N110: J4.F14(HA12_N) U1.AM37(WE_N110)
WE_N111: J4.E13(HA13_N) U1.AM35(WE_N111)
WE_N112: J4.K11(HA06_N) U1.AN41(WE_N112)
WE_N113: J4.J10(HA07_N) U1.AN39(WE_N113)
WE_N114: J4.H11(LA04_N) U1.AN37(WE_N114)
WE_N115: J4.G10(LA03_N) U1.AN35(WE_N115)
WE_N116: J4.F11(HA08_N) U1.AP41(WE_N116)
WE_N117: J4.E10(HA09_N) U1.AP39(WE_N117)
WE_N118: J4.D9(LA01_N_CC) U1.AP37(WE_N118)
WE_N119: J4.C11(LA06_N) U1.AP35(WE_N119)
WE_N120: J4.K8(HA02_N) U1.AR41(WE_N120)
WE_N121: J4.J7(HA03_N) U1.AR39(WE_N121)
WE_N122: J4.H8(LA02_N) U1.AR37(WE_N122)
WE_N123: J4.G7(LA00_N_CC) U1.AT41(WE_N123)
WE_N124: J4.F8(HA04_N) U1.AT39(WE_N124)
WE_N125: J4.E7(HA05_N) U1.AT37(WE_N125)
WE_N126: J4.F5(HA00_N_CC) U1.AU41(WE_N126)
WE_N127: J4.E3(HA01_N_CC) U1.AU39(WE_N127)
WE_P0: J3.H31(LA28_P) U1.F39(WE_P0)
WE_P1: J3.G30(LA29_P) U1.F41(WE_P1)
WE_P2: J3.F31(HB12_P) U1.G37(WE_P2)
WE_P3: J3.E30(HB13_P) U1.G39(WE_P3)
WE_P4: J3.K28(HB06_P_CC) U1.G41(WE_P4)
WE_P5: J3.J27(HB07_P) U1.H37(WE_P5)
WE_P6: J3.H28(LA24_P) U1.H39(WE_P6)
WE_P7: J3.G27(LA25_P) U1.H41(WE_P7)
WE_P8: J3.F28(HB08_P) U1.J35(WE_P8)
WE_P9: J3.E27(HB09_P) U1.J37(WE_P9)
WE_P10: J3.K25(HB00_P_CC) U1.J39(WE_P10)
WE_P11: J3.J24(HB01_P) U1.J41(WE_P11)
WE_P12: J3.H25(LA21_P) U1.K35(WE_P12)
WE_P13: J3.G24(LA22_P) U1.K37(WE_P13)
WE_P14: J3.F25(HB04_P) U1.K39(WE_P14)
WE_P15: J3.E24(HB05_P) U1.K41(WE_P15)
WE_P16: J3.D26(LA26_P) U1.L35(WE_P16)
WE_P17: J3.C26(LA27_P) U1.L37(WE_P17)
WE_P18: J3.K22(HA23_P) U1.L39(WE_P18)
WE_P19: J3.J21(HA22_P) U1.L41(WE_P19)
WE_P20: J3.H22(LA19_P) U1.M35(WE_P20)
WE_P21: J3.G21(LA20_P) U1.M37(WE_P21)
WE_P22: J3.F22(HB02_P) U1.M39(WE_P22)
WE_P23: J3.E21(HB03_P) U1.M41(WE_P23)
WE_P24: J3.D20(LA17_P_CC) U1.N31(WE_P24)
WE_P25: J3.C22(LA18_P_CC) U1.N33(WE_P25)
WE_P26: J3.K19(HA21_P) U1.N36(WE_P26)
WE_P27: J3.J18(HA18_P) U1.N38(WE_P27)
WE_P28: J3.H19(LA15_P) U1.N40(WE_P28)
WE_P29: J3.G18(LA16_P) U1.N42(WE_P29)
WE_P30: J3.F19(HA19_P) U1.P32(WE_P30)
WE_P31: J3.E18(HA20_P) U1.P37(WE_P31)
WE_P32: J3.D17(LA13_P) U1.P39(WE_P32)
WE_P33: J3.C18(LA14_P) U1.P41(WE_P33)
WE_P34: J3.K16(HA17_P_CC) U1.R31(WE_P34)
WE_P35: J3.J15(HA14_P) U1.R33(WE_P35)
WE_P36: J3.H16(LA11_P) U1.R37(WE_P36)
WE_P37: J3.G15(LA12_P) U1.R39(WE_P37)
WE_P38: J3.F16(HA15_P) U1.R41(WE_P38)
WE_P39: J3.E15(HA16_P) U1.T31(WE_P39)
WE_P40: J3.D14(LA09_P) U1.T33(WE_P40)
WE_P41: J3.C14(LA10_P) U1.T35(WE_P41)
WE_P42: J3.K13(HA10_P) U1.T39(WE_P42)
WE_P43: J3.J12(HA11_P) U1.T41(WE_P43)
WE_P44: J3.H13(LA07_P) U1.U31(WE_P44)
WE_P45: J3.G12(LA08_P) U1.U33(WE_P45)
WE_P46: J3.F13(HA12_P) U1.U35(WE_P46)
WE_P47: J3.E12(HA13_P) U1.U39(WE_P47)
WE_P48: J3.K10(HA06_P) U1.U41(WE_P48)
WE_P49: J3.J9(HA07_P) U1.V31(WE_P49)
WE_P50: J3.H10(LA04_P) U1.V33(WE_P50)
WE_P51: J3.G9(LA03_P) U1.V35(WE_P51)
WE_P52: J3.F10(HA08_P) U1.V37(WE_P52)
WE_P53: J3.E9(HA09_P) U1.V41(WE_P53)
WE_P54: J3.D8(LA01_P_CC) U1.W31(WE_P54)
WE_P55: J3.C10(LA06_P) U1.W33(WE_P55)
WE_P56: J3.K7(HA02_P) U1.W35(WE_P56)
WE_P57: J3.J6(HA03_P) U1.W37(WE_P57)
WE_P58: J3.H7(LA02_P) U1.W41(WE_P58)
WE_P59: J3.G6(LA00_P_CC) U1.Y31(WE_P59)
WE_P60: J3.F7(HA04_P) U1.Y33(WE_P60)
WE_P61: J3.E6(HA05_P) U1.Y35(WE_P61)
WE_P62: J3.F4(HA00_P_CC) U1.Y37(WE_P62)
WE_P63: J3.E2(HA01_P_CC) U1.Y39(WE_P63)
WE_P64: J4.H31(LA28_P) U1.AC40(WE_P64)
WE_P65: J4.G30(LA29_P) U1.AC38(WE_P65)
